# Altium PCB PCB.PcbDoc (part 8 of 11) (continued)
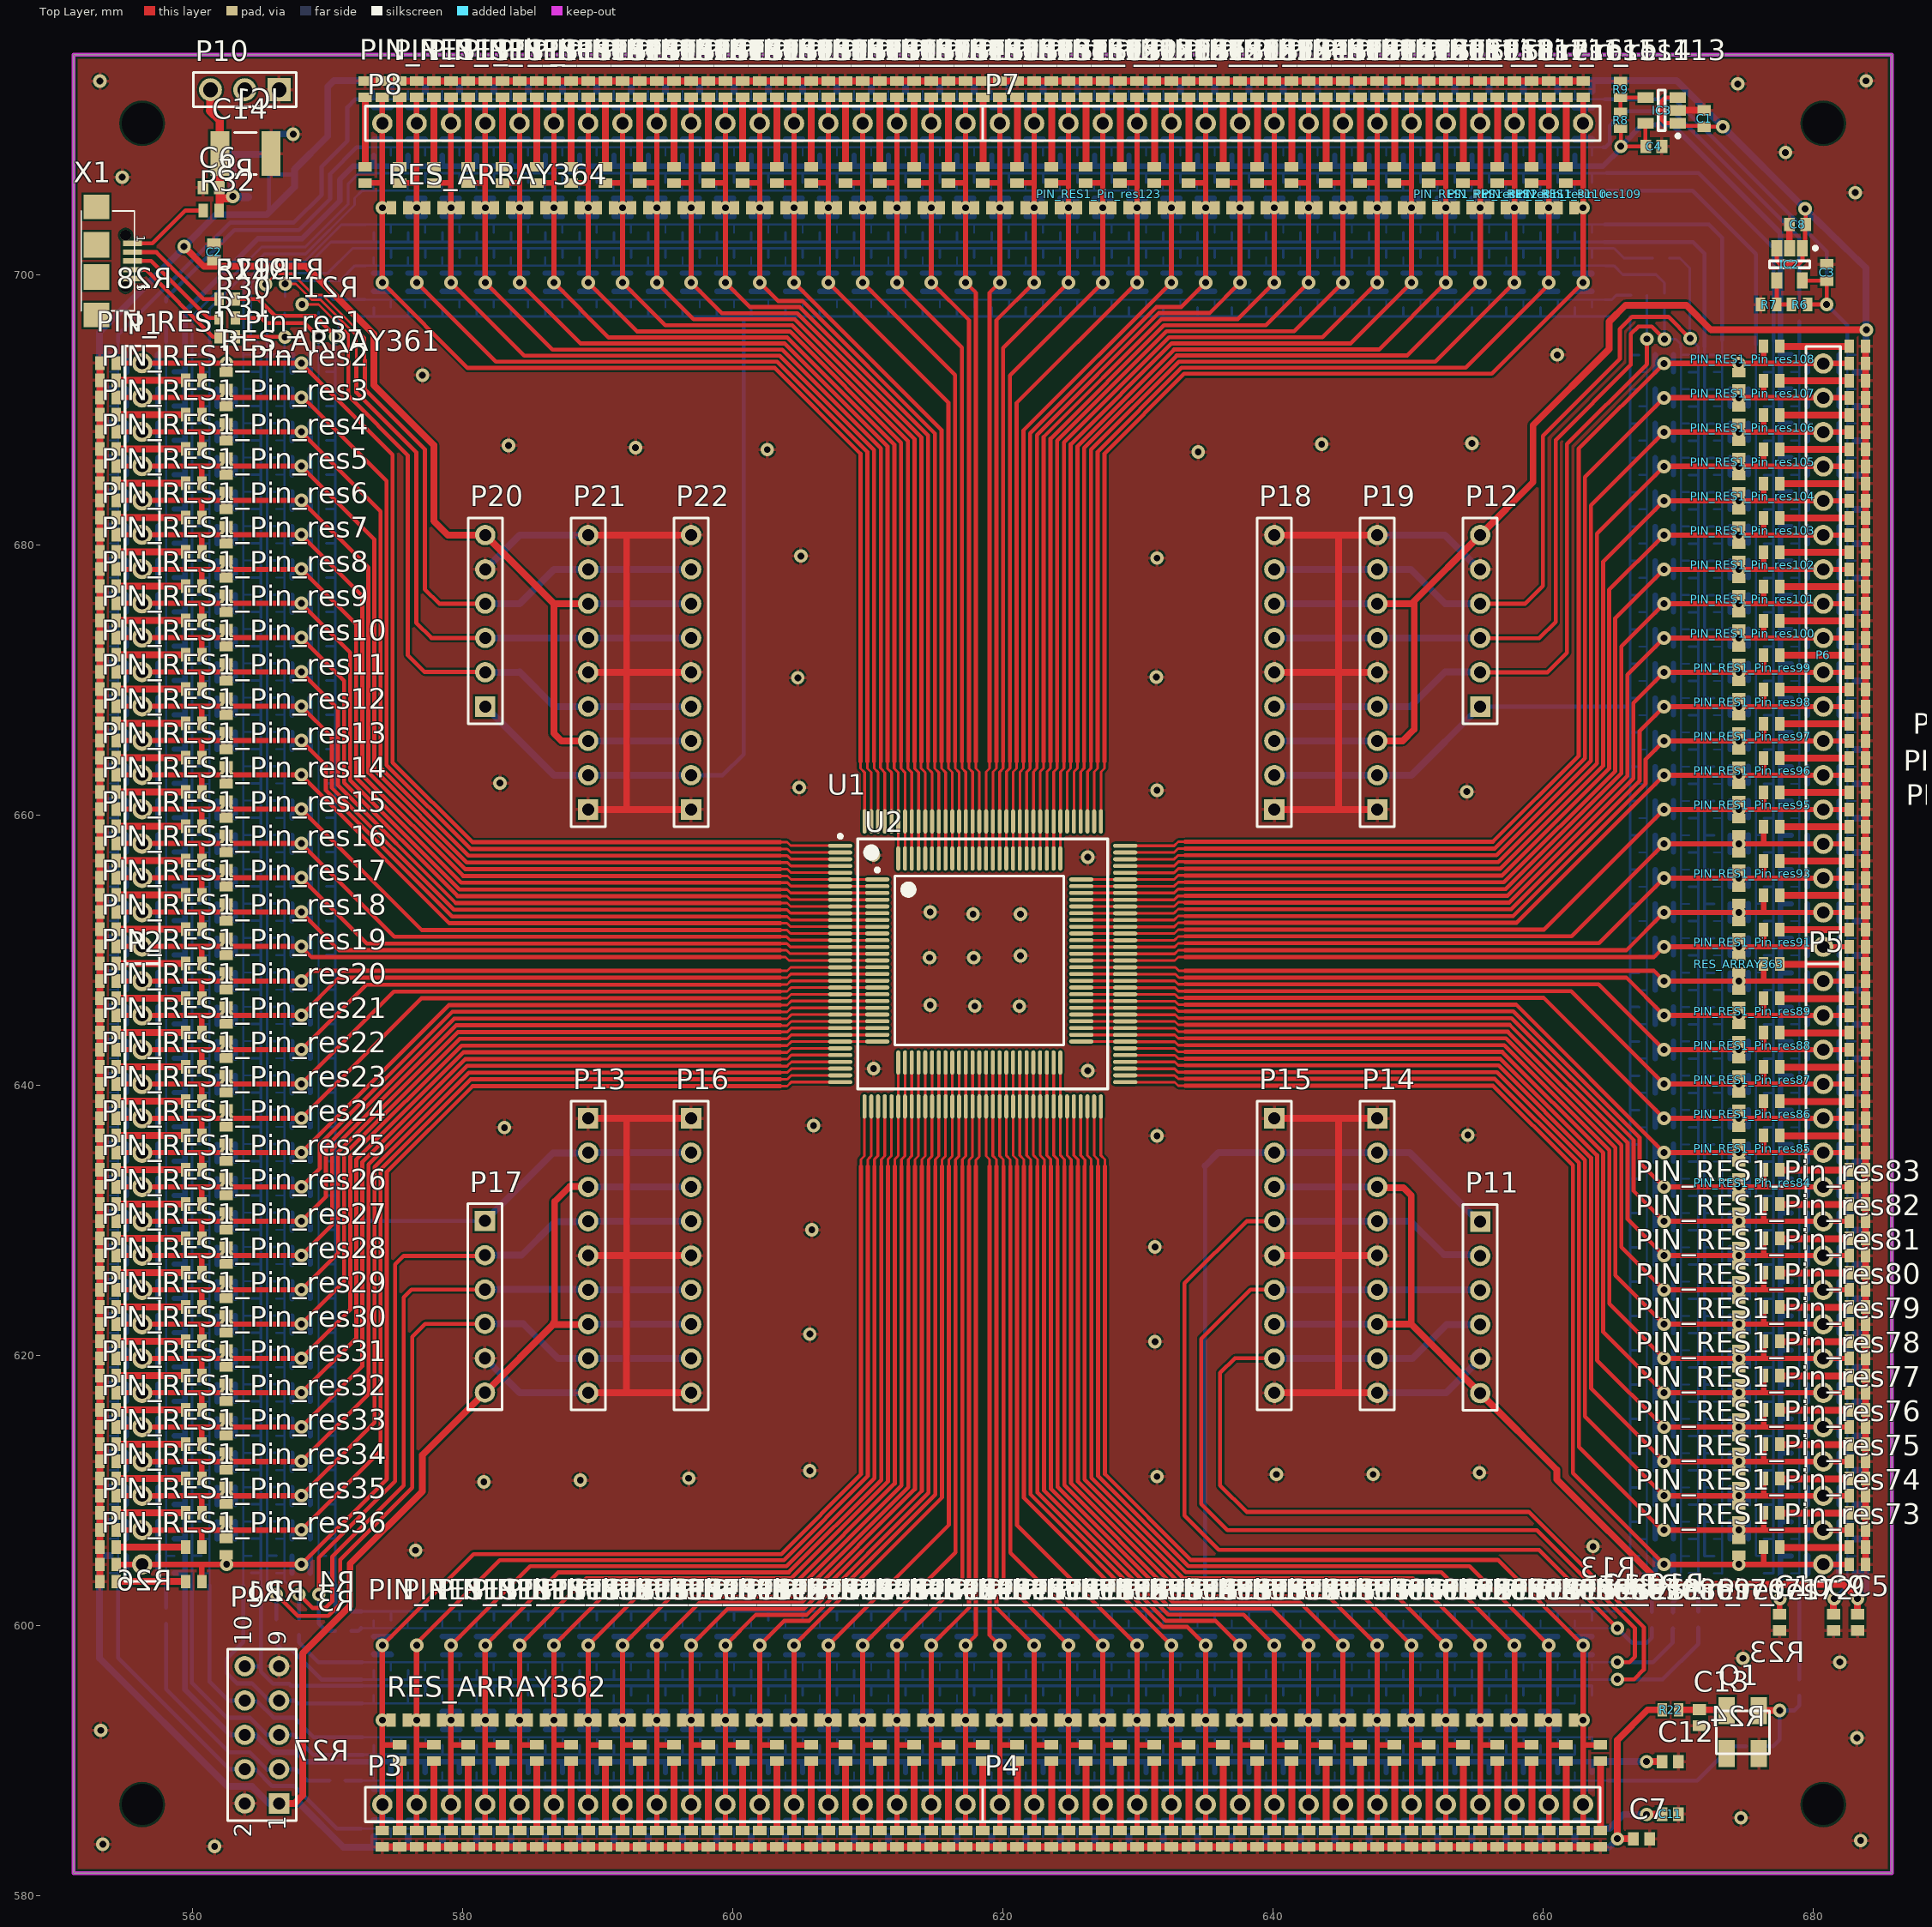
[diagram p0: Top Layer view]
## Nets (pads, with @x,y where several pads share a name; then routed paths per layer and width w, separated by ;. In a path a pad name is that pad's centre, name@x,y a point inside that pad or via, vN(x,y) a via of type N, cw(c..) or ccw(c..) an arc to the next point about the centre after c; other vN are vias at no path point) (continued)
P62: P4.8 PIN_RES1_Pin_res62.14 RES_ARRAY362.26 U1.62 U2.46 | length 80
  Top Layer w0.2: U2.46@622.236,641.674 622.24,641.67 U1.62@622.24,638.42 622.24,634.806 622.554,634.492 622.554,633.984
  Top Layer w0.3: 622.538,633.984 622.538,609.831 632.026,600.343 635.723,600.343 v1(637.54,598.526)
  Top Layer w0.4: PIN_RES1_Pin_res62.14@637.54,584.8 P4.8@637.54,586.74 637.54,591.185 ; v1(637.54,598.526) v1(637.54,592.988) 637.54,591.185 ; PIN_RES1_Pin_res62.14@638.81,591.15 637.575,591.15 637.54,591.185
  Bottom Layer w0.4: PIN_RES1_Pin_res62.14@636.93,585.562 637.565,585.562 ; PIN_RES1_Pin_res62.14@636.93,587.918 637.565,587.918 ; PIN_RES1_Pin_res62.14@636.93,593.633 637.565,593.633 ; PIN_RES1_Pin_res62.14@636.93,599.17 637.565,599.17 ; PIN_RES1_Pin_res62.14@636.956,592.293 637.565,592.293 ; PIN_RES1_Pin_res62.14@636.956,597.83 637.54,597.83 ; v1(637.54,598.526) 637.54,597.83 ; PIN_RES1_Pin_res62.14@638.2,585.562 PIN_RES1_Pin_res62.14@638.175,585.562 637.565,585.562 ; PIN_RES1_Pin_res62.14@638.2,587.918 PIN_RES1_Pin_res62.14@638.175,587.918 637.565,587.918 ; PIN_RES1_Pin_res62.14@638.2,593.633 PIN_RES1_Pin_res62.14@638.175,593.633 637.565,593.633 ; PIN_RES1_Pin_res62.14@638.2,599.17 PIN_RES1_Pin_res62.14@638.175,599.17 637.565,599.17 ; PIN_RES1_Pin_res62.14@638.226,592.293 PIN_RES1_Pin_res62.14@638.2,592.293 637.565,592.293 ; PIN_RES1_Pin_res62.14@638.226,597.83 637.565,597.83 ; 637.54,597.83 637.565,597.83 ; 637.565,585.562 637.565,587.918 ; 637.565,592.293 637.565,593.633 ; 637.565,597.83 637.565,599.17
P63: P4.9 PIN_RES1_Pin_res63.14 RES_ARRAY362.27 U1.63 U2.47 | length 82
  Top Layer w0.2: U2.47@622.736,641.674 622.74,641.67 U1.63@622.74,638.42 622.74,634.802 623.062,634.48 623.062,633.984
  Top Layer w0.3: 623.03,633.984 623.03,609.975 632.212,600.793 637.813,600.793 v1(640.08,598.526)
  Top Layer w0.4: PIN_RES1_Pin_res63.14@640.08,584.8 P4.9@640.08,586.74 640.08,591.185 ; v1(640.08,598.526) v1(640.08,592.988) 640.08,591.185 ; PIN_RES1_Pin_res63.14@641.35,591.15 640.115,591.15 640.08,591.185
  Bottom Layer w0.4: PIN_RES1_Pin_res63.14@639.47,585.562 640.105,585.562 ; PIN_RES1_Pin_res63.14@639.47,587.918 640.105,587.918 ; PIN_RES1_Pin_res63.14@639.47,593.633 640.105,593.633 ; PIN_RES1_Pin_res63.14@639.47,599.17 640.105,599.17 ; PIN_RES1_Pin_res63.14@639.496,592.293 640.105,592.293 ; PIN_RES1_Pin_res63.14@639.496,597.83 640.08,597.83 ; v1(640.08,598.526) 640.08,597.83 ; PIN_RES1_Pin_res63.14@640.74,585.562 PIN_RES1_Pin_res63.14@640.715,585.562 640.105,585.562 ; PIN_RES1_Pin_res63.14@640.74,587.918 PIN_RES1_Pin_res63.14@640.715,587.918 640.105,587.918 ; PIN_RES1_Pin_res63.14@640.74,593.633 PIN_RES1_Pin_res63.14@640.715,593.633 640.105,593.633 ; PIN_RES1_Pin_res63.14@640.74,599.17 PIN_RES1_Pin_res63.14@640.715,599.17 640.105,599.17 ; PIN_RES1_Pin_res63.14@640.766,592.293 PIN_RES1_Pin_res63.14@640.74,592.293 640.105,592.293 ; PIN_RES1_Pin_res63.14@640.766,597.83 640.105,597.83 ; 640.08,597.83 640.105,597.83 ; 640.105,585.562 640.105,587.918 ; 640.105,592.293 640.105,593.633 ; 640.105,597.83 640.105,599.17
P64: P4.10 PIN_RES1_Pin_res64.14 RES_ARRAY362.28 U1.64 U2.48 | length 83.9
  Top Layer w0.2: U2.48@623.236,641.674 623.24,641.67 U1.64@623.24,638.42 623.24,634.797 623.522,634.515 623.522,633.984
  Top Layer w0.3: 623.538,633.984 623.538,610.103 632.398,601.243 639.903,601.243 v1(642.62,598.526)
  Top Layer w0.4: PIN_RES1_Pin_res64.14@642.62,584.8 P4.10@642.62,586.74 642.62,591.185 ; v1(642.62,598.526) v1(642.62,592.988) 642.62,591.185 ; PIN_RES1_Pin_res64.14@643.89,591.15 642.655,591.15 642.62,591.185
  Bottom Layer w0.4: PIN_RES1_Pin_res64.14@642.01,585.562 642.645,585.562 ; PIN_RES1_Pin_res64.14@642.01,587.918 642.645,587.918 ; PIN_RES1_Pin_res64.14@642.01,593.633 642.645,593.633 ; PIN_RES1_Pin_res64.14@642.01,599.17 642.645,599.17 ; PIN_RES1_Pin_res64.14@642.036,592.293 642.645,592.293 ; PIN_RES1_Pin_res64.14@642.036,597.83 642.62,597.83 ; v1(642.62,598.526) 642.62,597.83 ; PIN_RES1_Pin_res64.14@643.28,585.562 PIN_RES1_Pin_res64.14@643.255,585.562 642.645,585.562 ; PIN_RES1_Pin_res64.14@643.28,587.918 PIN_RES1_Pin_res64.14@643.255,587.918 642.645,587.918 ; PIN_RES1_Pin_res64.14@643.28,593.633 PIN_RES1_Pin_res64.14@643.255,593.633 642.645,593.633 ; PIN_RES1_Pin_res64.14@643.28,599.17 PIN_RES1_Pin_res64.14@643.255,599.17 642.645,599.17 ; PIN_RES1_Pin_res64.14@643.306,592.293 PIN_RES1_Pin_res64.14@643.28,592.293 642.645,592.293 ; PIN_RES1_Pin_res64.14@643.306,597.83 642.645,597.83 ; 642.62,597.83 642.645,597.83 ; 642.645,585.562 642.645,587.918 ; 642.645,592.293 642.645,593.633 ; 642.645,597.83 642.645,599.17
P65: P4.11 PIN_RES1_Pin_res65.14 RES_ARRAY362.29 U1.65 U2.49 | length 85.9
  Top Layer w0.2: U2.49@623.736,641.674 623.74,641.67 U1.65@623.74,638.42 623.74,634.792 624.03,634.502 624.03,633.984
  Top Layer w0.3: 624.03,633.984 624.03,610.248 632.585,601.693 641.993,601.693 v1(645.16,598.526)
  Top Layer w0.4: PIN_RES1_Pin_res65.14@645.16,584.8 P4.11@645.16,586.74 645.16,591.185 ; v1(645.16,598.526) v1(645.16,592.988) 645.16,591.185 ; PIN_RES1_Pin_res65.14@646.43,591.15 645.195,591.15 645.16,591.185
  Bottom Layer w0.4: PIN_RES1_Pin_res65.14@644.55,585.562 645.185,585.562 ; PIN_RES1_Pin_res65.14@644.55,587.918 645.185,587.918 ; PIN_RES1_Pin_res65.14@644.55,593.633 645.185,593.633 ; PIN_RES1_Pin_res65.14@644.55,599.17 645.185,599.17 ; PIN_RES1_Pin_res65.14@644.576,592.293 645.185,592.293 ; PIN_RES1_Pin_res65.14@644.576,597.83 645.16,597.83 ; v1(645.16,598.526) 645.16,597.83 ; PIN_RES1_Pin_res65.14@645.82,585.562 PIN_RES1_Pin_res65.14@645.795,585.562 645.185,585.562 ; PIN_RES1_Pin_res65.14@645.82,587.918 PIN_RES1_Pin_res65.14@645.795,587.918 645.185,587.918 ; PIN_RES1_Pin_res65.14@645.82,593.633 PIN_RES1_Pin_res65.14@645.795,593.633 645.185,593.633 ; PIN_RES1_Pin_res65.14@645.82,599.17 PIN_RES1_Pin_res65.14@645.795,599.17 645.185,599.17 ; PIN_RES1_Pin_res65.14@645.846,592.293 PIN_RES1_Pin_res65.14@645.82,592.293 645.185,592.293 ; PIN_RES1_Pin_res65.14@645.846,597.83 645.185,597.83 ; 645.16,597.83 645.185,597.83 ; 645.185,585.562 645.185,587.918 ; 645.185,592.293 645.185,593.633 ; 645.185,597.83 645.185,599.17
P66: P4.12 PIN_RES1_Pin_res66.14 RES_ARRAY362.30 U1.66 U2.50 | length 87.9
  Top Layer w0.2: U2.50@624.236,641.674 624.24,641.67 U1.66@624.24,638.42 624.24,634.79 624.538,634.492 624.538,633.984
  Top Layer w0.3: 624.538,633.984 624.538,610.376 632.771,602.143 644.083,602.143 v1(647.7,598.526)
  Top Layer w0.4: PIN_RES1_Pin_res66.14@647.7,584.8 P4.12@647.7,586.74 647.7,591.185 ; v1(647.7,598.526) v1(647.7,592.988) 647.7,591.185 ; PIN_RES1_Pin_res66.14@648.97,591.15 647.735,591.15 647.7,591.185
  Bottom Layer w0.4: PIN_RES1_Pin_res66.14@647.09,585.562 647.725,585.562 ; PIN_RES1_Pin_res66.14@647.09,587.918 647.725,587.918 ; PIN_RES1_Pin_res66.14@647.09,593.633 647.725,593.633 ; PIN_RES1_Pin_res66.14@647.09,599.17 647.725,599.17 ; PIN_RES1_Pin_res66.14@647.116,592.293 647.725,592.293 ; PIN_RES1_Pin_res66.14@647.116,597.83 647.7,597.83 ; v1(647.7,598.526) 647.7,597.83 ; PIN_RES1_Pin_res66.14@648.36,585.562 PIN_RES1_Pin_res66.14@648.335,585.562 647.725,585.562 ; PIN_RES1_Pin_res66.14@648.36,587.918 PIN_RES1_Pin_res66.14@648.335,587.918 647.725,587.918 ; PIN_RES1_Pin_res66.14@648.36,593.633 PIN_RES1_Pin_res66.14@648.335,593.633 647.725,593.633 ; PIN_RES1_Pin_res66.14@648.36,599.17 PIN_RES1_Pin_res66.14@648.335,599.17 647.725,599.17 ; PIN_RES1_Pin_res66.14@648.386,592.293 PIN_RES1_Pin_res66.14@648.36,592.293 647.725,592.293 ; PIN_RES1_Pin_res66.14@648.386,597.83 647.725,597.83 ; 647.7,597.83 647.725,597.83 ; 647.725,585.562 647.725,586.74 647.725,587.918 ; 647.725,592.293 647.725,593.633 ; 647.725,597.83 647.725,599.17
P67: P4.13 PIN_RES1_Pin_res67.14 RES_ARRAY362.31 U1.67 | length 86.6
  Top Layer w0.2: U1.67@624.74,638.42 624.74,634.796 625.046,634.49 625.046,633.984
  Top Layer w0.3: 625.03,633.984 625.03,610.521 632.958,602.593 646.173,602.593 v1(650.24,598.526)
  Top Layer w0.4: PIN_RES1_Pin_res67.14@650.24,584.8 P4.13@650.24,586.74 650.24,591.185 ; v1(650.24,598.526) v1(650.24,592.988) 650.24,591.185 ; PIN_RES1_Pin_res67.14@651.51,591.15 650.275,591.15 650.24,591.185
  Bottom Layer w0.4: PIN_RES1_Pin_res67.14@649.63,585.562 650.265,585.562 ; PIN_RES1_Pin_res67.14@649.63,587.918 650.265,587.918 ; PIN_RES1_Pin_res67.14@649.63,593.633 650.265,593.633 ; PIN_RES1_Pin_res67.14@649.63,599.17 650.265,599.17 ; PIN_RES1_Pin_res67.14@649.656,592.293 650.265,592.293 ; PIN_RES1_Pin_res67.14@649.656,597.83 650.24,597.83 ; v1(650.24,598.526) 650.24,597.83 ; PIN_RES1_Pin_res67.14@650.9,585.562 PIN_RES1_Pin_res67.14@650.875,585.562 650.265,585.562 ; PIN_RES1_Pin_res67.14@650.9,587.918 PIN_RES1_Pin_res67.14@650.875,587.918 650.265,587.918 ; PIN_RES1_Pin_res67.14@650.9,593.633 PIN_RES1_Pin_res67.14@650.875,593.633 650.265,593.633 ; PIN_RES1_Pin_res67.14@650.9,599.17 PIN_RES1_Pin_res67.14@650.875,599.17 650.265,599.17 ; PIN_RES1_Pin_res67.14@650.926,592.293 PIN_RES1_Pin_res67.14@650.9,592.293 650.265,592.293 ; PIN_RES1_Pin_res67.14@650.926,597.83 650.265,597.83 ; 650.24,597.83 650.265,597.83 ; 650.265,585.562 650.265,587.918 ; 650.265,592.293 650.265,593.633 ; 650.265,597.83 650.265,599.17
P68: P4.14 PIN_RES1_Pin_res68.14 RES_ARRAY362.32 U1.68 | length 88.6
  Top Layer w0.2: U1.68@625.24,638.42 625.24,634.791 625.554,634.477 625.554,633.984
  Top Layer w0.3: 625.538,633.984 625.538,610.649 633.144,603.043 648.263,603.043 v1(652.78,598.526)
  Top Layer w0.4: PIN_RES1_Pin_res68.14@652.78,584.8 P4.14@652.78,586.74 652.78,591.185 ; v1(652.78,598.526) v1(652.78,592.988) 652.78,591.185 ; PIN_RES1_Pin_res68.14@654.05,591.15 652.815,591.15 652.78,591.185
  Bottom Layer w0.4: PIN_RES1_Pin_res68.14@652.17,585.562 652.805,585.562 ; PIN_RES1_Pin_res68.14@652.17,587.918 652.805,587.918 ; PIN_RES1_Pin_res68.14@652.17,593.633 652.805,593.633 ; PIN_RES1_Pin_res68.14@652.17,599.17 652.805,599.17 ; PIN_RES1_Pin_res68.14@652.196,592.293 652.805,592.293 ; PIN_RES1_Pin_res68.14@652.196,597.83 652.78,597.83 ; v1(652.78,598.526) 652.78,597.83 ; 652.805,592.318 652.805,592.293 ; 652.805,597.881 652.805,597.83 ; PIN_RES1_Pin_res68.14@653.44,585.562 PIN_RES1_Pin_res68.14@653.415,585.562 652.805,585.562 ; PIN_RES1_Pin_res68.14@653.44,587.918 PIN_RES1_Pin_res68.14@653.415,587.918 652.805,587.918 ; PIN_RES1_Pin_res68.14@653.44,593.633 PIN_RES1_Pin_res68.14@653.415,593.633 652.805,593.633 ; PIN_RES1_Pin_res68.14@653.44,599.17 PIN_RES1_Pin_res68.14@653.415,599.17 652.805,599.17 ; PIN_RES1_Pin_res68.14@653.466,592.293 PIN_RES1_Pin_res68.14@653.44,592.293 652.805,592.293 ; PIN_RES1_Pin_res68.14@653.466,597.83 652.805,597.83 ; 652.78,597.83 652.805,597.83 ; 652.805,585.562 652.805,587.918 ; 652.805,592.293 652.805,593.633 ; 652.805,597.83 652.805,599.17
P69: P4.15 PIN_RES1_Pin_res69.14 RES_ARRAY362.33 U1.69 | length 90.5
  Top Layer w0.2: U1.69@625.74,638.42 625.74,634.786 626.062,634.464 626.062,633.984
  Top Layer w0.3: 626.03,633.984 626.03,610.793 633.33,603.493 650.353,603.493 v1(655.32,598.526)
  Top Layer w0.4: PIN_RES1_Pin_res69.14@655.32,584.8 P4.15@655.32,586.74 655.32,591.185 ; v1(655.32,598.526) v1(655.32,592.988) 655.32,591.185 ; PIN_RES1_Pin_res69.14@656.59,591.15 655.355,591.15 655.32,591.185
  Bottom Layer w0.4: PIN_RES1_Pin_res69.14@654.71,585.562 655.345,585.562 ; PIN_RES1_Pin_res69.14@654.71,587.918 655.345,587.918 ; PIN_RES1_Pin_res69.14@654.71,593.633 655.345,593.633 ; PIN_RES1_Pin_res69.14@654.71,599.17 655.345,599.17 ; PIN_RES1_Pin_res69.14@654.736,592.293 655.345,592.293 ; PIN_RES1_Pin_res69.14@654.736,597.83 655.32,597.83 ; v1(655.32,598.526) 655.32,597.83 ; 655.345,592.318 655.345,592.293 ; PIN_RES1_Pin_res69.14@655.98,585.562 PIN_RES1_Pin_res69.14@655.955,585.562 655.345,585.562 ; PIN_RES1_Pin_res69.14@655.98,587.918 PIN_RES1_Pin_res69.14@655.955,587.918 655.345,587.918 ; PIN_RES1_Pin_res69.14@655.98,593.633 PIN_RES1_Pin_res69.14@655.955,593.633 655.345,593.633 ; PIN_RES1_Pin_res69.14@655.98,599.17 PIN_RES1_Pin_res69.14@655.955,599.17 655.345,599.17 ; PIN_RES1_Pin_res69.14@656.006,592.293 PIN_RES1_Pin_res69.14@655.98,592.293 655.345,592.293 ; PIN_RES1_Pin_res69.14@656.006,597.83 655.345,597.83 ; 655.32,597.83 655.345,597.83 ; 655.345,585.562 655.345,587.918 ; 655.345,592.293 655.345,593.633 ; 655.345,597.83 655.345,599.17
P70: P4.16 PIN_RES1_Pin_res70.14 RES_ARRAY362.34 U1.70 | length 92.5
  Top Layer w0.2: U1.70@626.24,638.42 626.24,634.781 626.522,634.499 626.522,633.984
  Top Layer w0.3: 626.538,633.984 626.538,610.922 633.517,603.943 652.443,603.943 v1(657.86,598.526)
  Top Layer w0.4: PIN_RES1_Pin_res70.14@657.86,584.8 P4.16@657.86,586.74 657.86,591.185 ; v1(657.86,598.526) v1(657.86,592.988) 657.86,591.185 ; PIN_RES1_Pin_res70.14@659.13,591.15 657.895,591.15 657.86,591.185
  Bottom Layer w0.4: PIN_RES1_Pin_res70.14@657.25,585.562 657.885,585.562 ; PIN_RES1_Pin_res70.14@657.25,587.918 657.885,587.918 ; PIN_RES1_Pin_res70.14@657.25,593.633 657.885,593.633 ; PIN_RES1_Pin_res70.14@657.25,599.17 657.885,599.17 ; PIN_RES1_Pin_res70.14@657.276,592.293 657.885,592.293 ; PIN_RES1_Pin_res70.14@657.276,597.83 657.86,597.83 ; v1(657.86,598.526) 657.86,597.83 ; 657.885,592.318 657.885,592.293 ; 657.885,597.881 657.885,597.83 ; PIN_RES1_Pin_res70.14@658.52,585.562 PIN_RES1_Pin_res70.14@658.495,585.562 657.885,585.562 ; PIN_RES1_Pin_res70.14@658.52,587.918 PIN_RES1_Pin_res70.14@658.495,587.918 657.885,587.918 ; PIN_RES1_Pin_res70.14@658.52,593.633 PIN_RES1_Pin_res70.14@658.495,593.633 657.885,593.633 ; PIN_RES1_Pin_res70.14@658.52,599.17 PIN_RES1_Pin_res70.14@658.495,599.17 657.885,599.17 ; PIN_RES1_Pin_res70.14@658.546,592.293 PIN_RES1_Pin_res70.14@658.52,592.293 657.885,592.293 ; PIN_RES1_Pin_res70.14@658.546,597.83 657.885,597.83 ; 657.86,597.83 657.885,597.83 ; 657.885,585.562 657.885,587.918 ; 657.885,592.293 657.885,593.633 ; 657.885,597.83 657.885,599.17
P71: P4.17 PIN_RES1_Pin_res71.14 RES_ARRAY362.35 U1.71 | length 94.6
  Top Layer w0.2: U1.71@626.74,638.42 626.74,634.776 627.03,634.486 627.03,633.984
  Top Layer w0.3: 627.03,632.206 627.03,632.384 ; 627.03,633.984 627.03,632.384 ; v1(660.4,598.526) 654.533,604.393 633.703,604.393 627.03,611.066 627.03,632.384
  Top Layer w0.4: PIN_RES1_Pin_res71.14@660.4,584.8 P4.17@660.4,586.74 660.4,591.185 ; v1(660.4,598.526) v1(660.4,592.988) 660.4,591.185 ; PIN_RES1_Pin_res71.14@661.67,591.15 660.435,591.15 660.4,591.185
  Bottom Layer w0.4: PIN_RES1_Pin_res71.14@659.79,585.562 660.425,585.562 ; PIN_RES1_Pin_res71.14@659.79,587.918 660.425,587.918 ; PIN_RES1_Pin_res71.14@659.79,593.633 660.425,593.633 ; PIN_RES1_Pin_res71.14@659.79,599.17 660.425,599.17 ; PIN_RES1_Pin_res71.14@659.816,592.293 660.425,592.293 ; PIN_RES1_Pin_res71.14@659.816,597.83 660.4,597.83 ; v1(660.4,598.526) 660.4,597.83 ; 660.425,592.318 660.425,592.293 ; PIN_RES1_Pin_res71.14@661.06,585.562 PIN_RES1_Pin_res71.14@661.035,585.562 660.425,585.562 ; PIN_RES1_Pin_res71.14@661.06,587.918 PIN_RES1_Pin_res71.14@661.035,587.918 660.425,587.918 ; PIN_RES1_Pin_res71.14@661.06,593.633 PIN_RES1_Pin_res71.14@661.035,593.633 660.425,593.633 ; PIN_RES1_Pin_res71.14@661.06,599.17 PIN_RES1_Pin_res71.14@661.035,599.17 660.425,599.17 ; PIN_RES1_Pin_res71.14@661.086,592.293 PIN_RES1_Pin_res71.14@661.06,592.293 660.425,592.293 ; PIN_RES1_Pin_res71.14@661.086,597.83 660.425,597.83 ; 660.4,597.83 660.425,597.83 ; 660.425,585.562 660.425,587.918 ; 660.425,592.293 660.425,593.633 ; 660.425,597.83 660.425,599.17
P72: P4.18 PIN_RES1_Pin_res72.14 RES_ARRAY362.36 U1.72 | length 93.2
  Top Layer w0.2: U1.72@627.24,638.42 627.24,634.79 627.538,634.492 627.538,633.984
  Top Layer w0.3: 627.538,633.984 627.538,611.195 633.882,604.85 656.615,604.85 v1(662.94,598.526)
  Top Layer w0.4: RES_ARRAY362.36@662.235,592.988 v1(662.94,592.988) ; PIN_RES1_Pin_res72.14@662.94,584.8 P4.18@662.94,586.74 662.94,591.185 ; v1(662.94,598.526) v1(662.94,592.988) ; PIN_RES1_Pin_res72.14@664.21,591.15 662.975,591.15 662.94,591.185 ; 662.94,591.185 v1(662.94,592.988)
  Bottom Layer w0.4: PIN_RES1_Pin_res72.14@662.33,585.562 662.965,585.562 ; PIN_RES1_Pin_res72.14@662.33,587.918 662.965,587.918 ; PIN_RES1_Pin_res72.14@662.33,599.17 662.965,599.17 ; PIN_RES1_Pin_res72.14@662.356,597.83 662.94,597.83 ; v1(662.94,598.526) 662.94,597.83 ; PIN_RES1_Pin_res72.14@663.6,585.562 PIN_RES1_Pin_res72.14@663.575,585.562 662.965,585.562 ; PIN_RES1_Pin_res72.14@663.6,587.918 PIN_RES1_Pin_res72.14@663.575,587.918 662.965,587.918 ; PIN_RES1_Pin_res72.14@663.6,599.17 PIN_RES1_Pin_res72.14@663.575,599.17 662.965,599.17 ; PIN_RES1_Pin_res72.14@663.626,597.83 662.965,597.83 ; 662.94,597.83 662.965,597.83 ; 662.965,585.562 662.965,587.918 ; 662.965,597.83 662.965,599.17
P73: P5.1 PIN_RES1_Pin_res73.14 RES_ARRAY363.1 U1.73 | length 94.4
  Top Layer w0.2: U1.73@629.04,640.22 629.052,640.208 632.714,640.208 632.968,639.954 633.476,639.954
  Top Layer w0.3: 633.477,639.954 656.284,639.954 662.178,634.06 662.178,611.276 v1(668.934,604.52)
  Top Layer w0.4: v1(668.934,604.52) v1(674.472,604.52) ; RES_ARRAY363.1@674.472,605.18 v1(674.472,604.52) ; PIN_RES1_Pin_res73.14@676.31,605.79 676.31,604.555 676.275,604.52 ; PIN_RES1_Pin_res73.14@682.66,604.52 P5.1@680.72,604.52 676.275,604.52 ; v1(674.472,604.52) 676.275,604.52
  Bottom Layer w0.4: PIN_RES1_Pin_res73.14@668.29,603.86 PIN_RES1_Pin_res73.14@668.29,603.885 668.29,604.495 ; PIN_RES1_Pin_res73.14@668.29,605.13 668.29,604.52 668.29,604.495 ; v1(668.934,604.52) 669.579,604.52 ; PIN_RES1_Pin_res73.14@669.579,603.86 PIN_RES1_Pin_res73.14@669.579,603.885 669.579,604.495 ; PIN_RES1_Pin_res73.14@669.579,605.13 669.579,604.52 ; PIN_RES1_Pin_res73.14@669.63,603.885 669.63,604.495 ; PIN_RES1_Pin_res73.14@669.63,605.155 669.63,604.52 ; 668.29,604.495 668.934,604.495 669.579,604.495 ; 669.579,604.495 669.63,604.495 ; 669.579,604.495 669.579,604.52 ; 669.579,604.52 669.63,604.52 ; 669.63,604.495 669.63,604.52
  Bottom Layer w0.5: PIN_RES1_Pin_res73.14@679.542,603.86 PIN_RES1_Pin_res73.14@679.542,603.885 PIN_RES1_Pin_res73.14@679.542,605.13 ; 679.577,604.495 680.72,604.495 681.863,604.495 ; PIN_RES1_Pin_res73.14@681.898,603.86 PIN_RES1_Pin_res73.14@681.898,603.885 PIN_RES1_Pin_res73.14@681.898,605.13
P74: P5.2 PIN_RES1_Pin_res74.14 RES_ARRAY363.2 U1.74 | length 94.5
  Top Layer w0.2: U1.74@629.04,640.72 632.697,640.72 632.813,640.604 632.826,640.604 632.968,640.462 633.476,640.462
  Top Layer w0.3: 633.476,640.462 656.413,640.462 662.628,634.247 662.628,613.216 v1@668.885,606.96
  Top Layer w0.4: v1(668.934,607.06) v1(674.472,607.06) 676.275,607.06 ; PIN_RES1_Pin_res74.14@676.31,608.33 676.31,607.095 676.275,607.06 ; PIN_RES1_Pin_res74.14@682.66,607.06 P5.2@680.72,607.06 676.275,607.06
  Bottom Layer w0.4: PIN_RES1_Pin_res74.14@668.29,606.4 PIN_RES1_Pin_res74.14@668.29,606.425 668.29,607.035 ; PIN_RES1_Pin_res74.14@668.29,607.67 668.29,607.035 ; v1(668.934,607.06) 669.63,607.06 ; PIN_RES1_Pin_res74.14@669.63,606.425 669.63,607.035 ; PIN_RES1_Pin_res74.14@669.63,607.695 669.63,607.06 ; PIN_RES1_Pin_res74.14@673.827,606.4 PIN_RES1_Pin_res74.14@673.827,606.425 673.827,607.035 ; PIN_RES1_Pin_res74.14@673.827,607.67 673.827,607.035 ; PIN_RES1_Pin_res74.14@675.167,606.425 675.167,607.035 ; PIN_RES1_Pin_res74.14@675.167,607.695 675.167,607.035 ; PIN_RES1_Pin_res74.14@679.542,606.4 PIN_RES1_Pin_res74.14@679.542,606.425 679.542,607.035 ; PIN_RES1_Pin_res74.14@679.542,607.67 679.542,607.035 ; PIN_RES1_Pin_res74.14@681.898,606.4 PIN_RES1_Pin_res74.14@681.898,606.425 681.898,607.035 ; PIN_RES1_Pin_res74.14@681.898,607.67 681.898,607.035 ; 668.29,607.035 669.579,607.035 669.63,607.035 ; 669.63,607.035 669.63,607.06 ; 673.827,607.035 675.167,607.035 ; 679.542,607.035 681.898,607.035
P75: P5.3 PIN_RES1_Pin_res75.14 RES_ARRAY363.3 U1.75 | length 92.5
  Top Layer w0.2: U1.75@629.04,641.22 629.052,641.208 632.704,641.208 632.958,640.954 633.476,640.954
  Top Layer w0.3: 633.476,640.954 656.557,640.954 663.078,634.433 663.078,615.456 v1(668.934,609.6)
  Top Layer w0.4: v1(668.934,609.6) v1(674.472,609.6) 676.275,609.6 ; PIN_RES1_Pin_res75.14@676.31,610.87 676.31,609.635 676.275,609.6 ; PIN_RES1_Pin_res75.14@682.66,609.6 P5.3@680.72,609.6 676.275,609.6
  Bottom Layer w0.4: PIN_RES1_Pin_res75.14@668.29,608.94 PIN_RES1_Pin_res75.14@668.29,608.965 668.29,609.575 ; PIN_RES1_Pin_res75.14@668.29,610.21 668.29,609.575 ; v1(668.934,609.6) 669.63,609.6 ; PIN_RES1_Pin_res75.14@669.63,608.965 669.63,609.575 ; PIN_RES1_Pin_res75.14@669.63,610.235 669.63,609.6 ; PIN_RES1_Pin_res75.14@673.827,608.94 PIN_RES1_Pin_res75.14@673.827,608.965 673.827,609.575 ; PIN_RES1_Pin_res75.14@673.827,610.21 673.827,609.575 ; PIN_RES1_Pin_res75.14@675.167,608.965 675.167,609.575 ; PIN_RES1_Pin_res75.14@675.167,610.235 675.167,609.575 ; PIN_RES1_Pin_res75.14@679.542,608.94 PIN_RES1_Pin_res75.14@679.542,608.965 679.542,609.575 ; PIN_RES1_Pin_res75.14@679.542,610.21 679.542,609.575 ; PIN_RES1_Pin_res75.14@681.898,608.94 PIN_RES1_Pin_res75.14@681.898,608.965 681.898,609.575 ; PIN_RES1_Pin_res75.14@681.898,610.21 681.898,609.575 ; 668.29,609.575 669.579,609.575 669.63,609.575 ; 669.63,609.575 669.63,609.6 ; 673.827,609.575 674.472,609.575 675.167,609.575 ; 679.542,609.575 681.898,609.575
P76: P5.4 PIN_RES1_Pin_res76.14 RES_ARRAY363.4 U1.76 | length 90.5
  Top Layer w0.2: U1.76@629.04,641.72 632.71,641.72 632.968,641.462 633.476,641.462
  Top Layer w0.3: 633.476,641.462 656.685,641.462 663.528,634.619 663.528,617.546 v1(668.934,612.14)
  Top Layer w0.4: v1(668.934,612.14) v1(674.472,612.14) 676.275,612.14 ; PIN_RES1_Pin_res76.14@676.31,613.41 676.31,612.175 676.275,612.14 ; PIN_RES1_Pin_res76.14@682.66,612.14 P5.4@680.72,612.14 676.275,612.14
  Bottom Layer w0.4: PIN_RES1_Pin_res76.14@668.29,611.48 PIN_RES1_Pin_res76.14@668.29,611.505 668.29,612.115 ; PIN_RES1_Pin_res76.14@668.29,612.75 668.29,612.115 ; v1(668.934,612.14) 669.63,612.14 ; PIN_RES1_Pin_res76.14@669.63,611.505 669.63,612.115 ; PIN_RES1_Pin_res76.14@669.63,612.775 669.63,612.14 ; PIN_RES1_Pin_res76.14@673.827,611.48 PIN_RES1_Pin_res76.14@673.827,611.505 673.827,612.115 ; PIN_RES1_Pin_res76.14@673.827,612.75 673.827,612.115 ; PIN_RES1_Pin_res76.14@675.167,611.505 675.167,612.115 ; PIN_RES1_Pin_res76.14@675.167,612.775 675.167,612.115 ; PIN_RES1_Pin_res76.14@679.542,611.48 PIN_RES1_Pin_res76.14@679.542,611.505 679.542,612.115 ; PIN_RES1_Pin_res76.14@679.542,612.75 679.542,612.115 ; PIN_RES1_Pin_res76.14@681.898,611.48 PIN_RES1_Pin_res76.14@681.898,611.505 681.898,612.115 ; PIN_RES1_Pin_res76.14@681.898,612.75 681.898,612.115 ; 668.29,612.115 669.579,612.115 669.63,612.115 ; 669.63,612.115 669.63,612.14 ; 673.827,612.115 675.167,612.115 ; 679.542,612.115 681.898,612.115
P77: P5.5 PIN_RES1_Pin_res77.14 RES_ARRAY363.5 U1.77 | length 88.5
  Top Layer w0.2: U1.77@629.04,642.22 629.052,642.208 632.72,642.208 632.974,641.954 633.476,641.954
  Top Layer w0.3: 633.476,641.954 656.83,641.954 663.978,634.806 663.978,619.636 v1(668.934,614.68)
  Top Layer w0.4: v1(668.934,614.68) v1(674.472,614.68) 676.275,614.68 ; PIN_RES1_Pin_res77.14@676.31,615.95 676.31,614.715 676.275,614.68 ; PIN_RES1_Pin_res77.14@682.66,614.68 P5.5@680.72,614.68 676.275,614.68
  Bottom Layer w0.4: PIN_RES1_Pin_res77.14@668.29,614.02 PIN_RES1_Pin_res77.14@668.29,614.045 668.29,614.655 ; PIN_RES1_Pin_res77.14@668.29,615.29 668.29,614.655 ; v1(668.934,614.68) 669.63,614.68 ; PIN_RES1_Pin_res77.14@669.63,614.045 669.63,614.655 ; PIN_RES1_Pin_res77.14@669.63,615.315 669.63,614.68 ; PIN_RES1_Pin_res77.14@673.827,614.02 PIN_RES1_Pin_res77.14@673.827,614.045 673.827,614.655 ; PIN_RES1_Pin_res77.14@673.827,615.29 673.827,614.655 ; PIN_RES1_Pin_res77.14@675.167,614.045 675.167,614.655 ; PIN_RES1_Pin_res77.14@675.167,615.315 675.167,614.655 ; PIN_RES1_Pin_res77.14@679.542,614.02 PIN_RES1_Pin_res77.14@679.542,614.045 679.542,614.655 ; PIN_RES1_Pin_res77.14@679.542,615.29 679.542,614.655 ; PIN_RES1_Pin_res77.14@681.898,614.02 PIN_RES1_Pin_res77.14@681.898,614.045 681.898,614.655 ; PIN_RES1_Pin_res77.14@681.898,615.29 681.898,614.655 ; 668.29,614.655 669.579,614.655 669.63,614.655 ; 669.63,614.655 669.63,614.68 ; 673.827,614.655 674.472,614.655 675.167,614.655 ; 679.542,614.655 681.898,614.655
P78: P5.6 PIN_RES1_Pin_res78.14 RES_ARRAY363.6 U1.78 | length 86.6
  Top Layer w0.2: U1.78@629.04,642.72 632.703,642.72 632.961,642.462 633.476,642.462
  Top Layer w0.3: 633.476,642.462 656.958,642.462 664.428,634.992 664.428,621.726 v1(668.934,617.22)
  Top Layer w0.4: v1(668.934,617.22) v1(674.472,617.22) 676.275,617.22 ; PIN_RES1_Pin_res78.14@676.31,618.49 676.31,617.255 676.275,617.22 ; PIN_RES1_Pin_res78.14@682.66,617.22 P5.6@680.72,617.22 676.275,617.22
  Bottom Layer w0.4: PIN_RES1_Pin_res78.14@668.29,616.56 PIN_RES1_Pin_res78.14@668.29,616.585 668.29,617.195 ; PIN_RES1_Pin_res78.14@668.29,617.83 668.29,617.195 ; v1(668.934,617.22) 669.63,617.22 ; PIN_RES1_Pin_res78.14@669.63,616.585 669.63,617.195 ; PIN_RES1_Pin_res78.14@669.63,617.855 669.63,617.22 ; PIN_RES1_Pin_res78.14@673.827,616.56 PIN_RES1_Pin_res78.14@673.827,616.585 673.827,617.195 ; PIN_RES1_Pin_res78.14@673.827,617.83 673.827,617.195 ; PIN_RES1_Pin_res78.14@675.167,616.585 675.167,617.195 ; PIN_RES1_Pin_res78.14@675.167,617.855 675.167,617.195 ; PIN_RES1_Pin_res78.14@679.542,616.56 PIN_RES1_Pin_res78.14@679.542,616.585 679.542,617.195 ; PIN_RES1_Pin_res78.14@679.542,617.83 679.542,617.195 ; PIN_RES1_Pin_res78.14@681.898,616.56 PIN_RES1_Pin_res78.14@681.898,616.585 681.898,617.195 ; PIN_RES1_Pin_res78.14@681.898,617.83 681.898,617.195 ; 668.29,617.195 669.63,617.195 ; 669.63,617.195 669.63,617.22 ; 673.827,617.195 675.167,617.195 ; 679.542,617.195 681.898,617.195
P79: P5.7 PIN_RES1_Pin_res79.14 RES_ARRAY363.7 U1.79 U2.51 | length 87.9
  Top Layer w0.2: U2.51@625.786,643.224 625.79,643.22 U1.79@629.04,643.22 629.052,643.208 632.71,643.208 632.964,642.954 633.476,642.954
  Top Layer w0.3: 633.476,642.954 657.103,642.954 664.878,635.179 664.878,623.816 v1(668.934,619.76)
  Top Layer w0.4: v1(668.934,619.76) v1(674.472,619.76) 676.275,619.76 ; PIN_RES1_Pin_res79.14@676.31,621.03 676.31,619.795 676.275,619.76 ; PIN_RES1_Pin_res79.14@682.66,619.76 P5.7@680.72,619.76 676.275,619.76
  Bottom Layer w0.4: PIN_RES1_Pin_res79.14@668.29,619.1 PIN_RES1_Pin_res79.14@668.29,619.125 668.29,619.735 ; PIN_RES1_Pin_res79.14@668.29,620.37 668.29,619.735 ; v1(668.934,619.76) 669.63,619.76 ; PIN_RES1_Pin_res79.14@669.63,619.125 669.63,619.735 ; PIN_RES1_Pin_res79.14@669.63,620.395 669.63,619.76 ; PIN_RES1_Pin_res79.14@673.827,619.1 PIN_RES1_Pin_res79.14@673.827,619.125 673.827,619.735 ; PIN_RES1_Pin_res79.14@673.827,620.37 673.827,619.735 ; PIN_RES1_Pin_res79.14@675.167,619.125 675.167,619.735 ; PIN_RES1_Pin_res79.14@675.167,620.395 675.167,619.735 ; PIN_RES1_Pin_res79.14@679.542,619.1 PIN_RES1_Pin_res79.14@679.542,619.125 679.542,619.735 ; PIN_RES1_Pin_res79.14@679.542,620.37 679.542,619.735 ; PIN_RES1_Pin_res79.14@681.898,619.1 PIN_RES1_Pin_res79.14@681.898,619.125 681.898,619.735 ; PIN_RES1_Pin_res79.14@681.898,620.37 681.898,619.735 ; 668.29,619.735 669.63,619.735 ; 669.63,619.735 669.63,619.76 ; 673.827,619.735 675.167,619.735 ; 679.542,619.735 681.898,619.735